# Altium PCB PCB1.PcbDoc (part 8 of 15)
Units mil, origin at the board's own origin, x right, y up, seen from the top; angles counter-clockwise.
Board outline 9210.27 x 4350.4 mil, 4 copper layers (Top Layer, Layer 1, Layer 2, Bottom Layer), stack 23.756 mil thick; 1550 components, 1731 nets, 5200 pads, 1882 vias.
Unrouted connection lines stored in the file: 605.
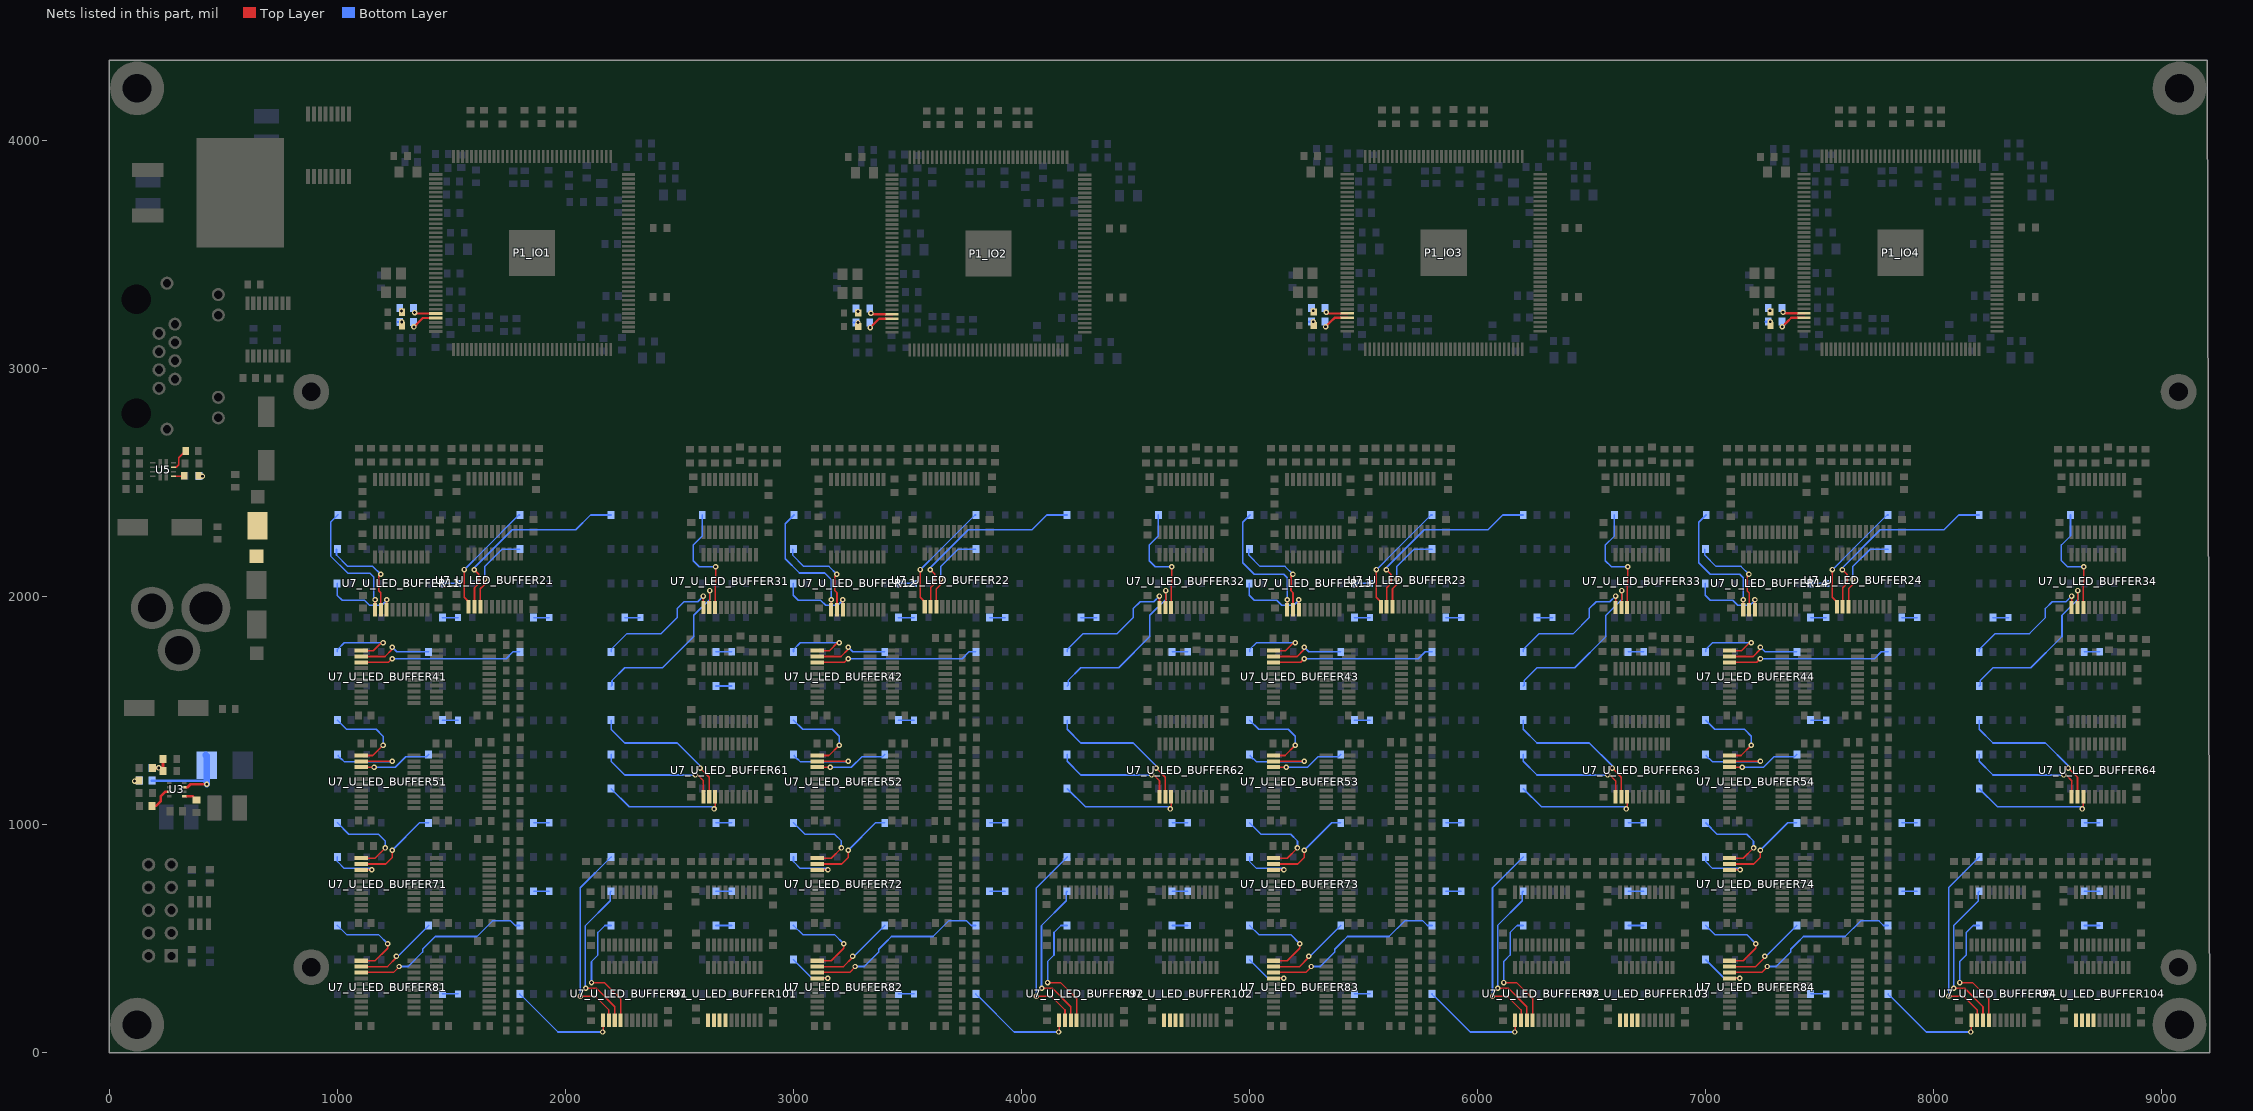
[diagram p10: the nets of this part, all layers, seen from the top]

## Via types
v1: diameter 24, hole 12, Top Layer to Bottom Layer, 1493 vias
v2: diameter 24, hole 12, Top Layer to Bottom Layer, tented both sides, 389 vias

## Nets (pads, with @x,y where several pads share a name; then routed paths per layer and width w, separated by ;. In a path a pad name is that pad's centre, name@x,y a point inside that pad or via, vN(x,y) a via of type N, cw(c..) or ccw(c..) an arc to the next point about the centre after c; other vN are vias at no path point) (continued)
L_OUT5_U_LED_BUFFER82: R26_U_LED_BUFFER82.2 U7_U_LED_BUFFER82.14 | length 229.5
  Top Layer w7: U7_U_LED_BUFFER82.14@3104.96,325.55 3149.02,325.55 v2@3150.63,327.16
  Bottom Layer w7: R26_U_LED_BUFFER82.2@3000.63,407.16 3081.83,325.97 v2(3150.19,325.97)
L_OUT5_U_LED_BUFFER83: R26_U_LED_BUFFER83.2 U7_U_LED_BUFFER83.14 | length 229.5
  Top Layer w7: U7_U_LED_BUFFER83.14@5104.96,325.55 5149.02,325.55 v2@5150.63,327.16
  Bottom Layer w7: R26_U_LED_BUFFER83.2@5000.63,407.16 5081.83,325.97 v2(5150.19,325.97)
L_OUT5_U_LED_BUFFER84: R26_U_LED_BUFFER84.2 U7_U_LED_BUFFER84.14 | length 229.5
  Top Layer w7: U7_U_LED_BUFFER84.14@7104.96,325.55 7149.02,325.55 v2@7150.63,327.16
  Bottom Layer w7: R26_U_LED_BUFFER84.2@7000.63,407.16 7081.83,325.97 v2(7150.19,325.97)
L_OUT5_U_LED_BUFFER91: R26_U_LED_BUFFER91.2 U7_U_LED_BUFFER91.14 | length 553
  Top Layer w7: v2(2114.68,306.58) 2171.21,306.58 2242.25,235.55 U7_U_LED_BUFFER91.14@2242.25,141.5
  Bottom Layer w7: v2(2114.68,306.58) 2114.68,398.87 2142.98,427.16 2142.98,526.44 2173.7,557.16 R26_U_LED_BUFFER91.2@2200.63,557.16
L_OUT5_U_LED_BUFFER92: R26_U_LED_BUFFER92.2 U7_U_LED_BUFFER92.14 | length 553
  Top Layer w7: v2(4114.68,306.58) 4171.21,306.58 4242.25,235.55 U7_U_LED_BUFFER92.14@4242.25,141.5
  Bottom Layer w7: v2(4114.68,306.58) 4114.68,398.87 4142.98,427.16 4142.98,526.44 4173.7,557.16 R26_U_LED_BUFFER92.2@4200.63,557.16
L_OUT5_U_LED_BUFFER93: R26_U_LED_BUFFER93.2 U7_U_LED_BUFFER93.14 | length 553
  Top Layer w7: v2(6114.68,306.58) 6171.21,306.58 6242.25,235.55 U7_U_LED_BUFFER93.14@6242.25,141.5
  Bottom Layer w7: v2(6114.68,306.58) 6114.68,398.87 6142.98,427.16 6142.98,526.44 6173.7,557.16 R26_U_LED_BUFFER93.2@6200.63,557.16
L_OUT5_U_LED_BUFFER94: R26_U_LED_BUFFER94.2 U7_U_LED_BUFFER94.14 | length 553
  Top Layer w7: v2(8114.68,306.58) 8171.21,306.58 8242.25,235.55 U7_U_LED_BUFFER94.14@8242.25,141.5
  Bottom Layer w7: v2(8114.68,306.58) 8114.68,398.87 8142.98,427.16 8142.98,526.44 8173.7,557.16 R26_U_LED_BUFFER94.2@8200.63,557.16
L_OUT5_U_LED_BUFFER101: U7_U_LED_BUFFER101.14
L_OUT5_U_LED_BUFFER102: U7_U_LED_BUFFER102.14
L_OUT5_U_LED_BUFFER103: U7_U_LED_BUFFER103.14
L_OUT5_U_LED_BUFFER104: U7_U_LED_BUFFER104.14
L_OUT6_U_LED_BUFFER11: R27_U_LED_BUFFER11.2 U7_U_LED_BUFFER11.13 | length 342
  Top Layer w7: U7_U_LED_BUFFER11.13@1216.68,1941.84 v2@1216.68,1985.23 ; v2(1216.66,1985.26) v2@1216.71,1985.26
  Bottom Layer w7: R27_U_LED_BUFFER11.2@999.14,2057.16 999.14,2005.72 1021.19,1983.66 1119.33,1983.66 1141.67,1961.32 1194.79,1961.32 1216.66,1983.19 v2(1216.66,1985.26)
L_OUT6_U_LED_BUFFER12: R27_U_LED_BUFFER12.2 U7_U_LED_BUFFER12.13 | length 342
  Top Layer w7: U7_U_LED_BUFFER12.13@3216.68,1941.84 v2@3216.68,1985.23 ; v2(3216.66,1985.26) v2@3216.71,1985.26
  Bottom Layer w7: R27_U_LED_BUFFER12.2@2999.14,2057.16 2999.14,2005.72 3021.19,1983.66 3119.33,1983.66 3141.67,1961.32 3194.79,1961.32 3216.66,1983.19 v2(3216.66,1985.26)
L_OUT6_U_LED_BUFFER13: R27_U_LED_BUFFER13.2 U7_U_LED_BUFFER13.13 | length 342
  Top Layer w7: U7_U_LED_BUFFER13.13@5216.68,1941.84 v2@5216.68,1985.23 ; v2(5216.66,1985.26) v2@5216.71,1985.26
  Bottom Layer w7: R27_U_LED_BUFFER13.2@4999.14,2057.16 4999.14,2005.72 5021.19,1983.66 5119.33,1983.66 5141.67,1961.32 5194.79,1961.32 5216.66,1983.19 v2(5216.66,1985.26)
L_OUT6_U_LED_BUFFER14: R27_U_LED_BUFFER14.2 U7_U_LED_BUFFER14.13 | length 342
  Top Layer w7: U7_U_LED_BUFFER14.13@7216.68,1941.84 v2@7216.68,1985.23 ; v2(7216.66,1985.26) v2@7216.71,1985.26
  Bottom Layer w7: R27_U_LED_BUFFER14.2@6999.14,2057.16 6999.14,2005.72 7021.19,1983.66 7119.33,1983.66 7141.67,1961.32 7194.79,1961.32 7216.66,1983.19 v2(7216.66,1985.26)
L_OUT6_U_LED_BUFFER21: R27_U_LED_BUFFER21.2 U7_U_LED_BUFFER21.13 | length 370.2
  Top Layer w7: U7_U_LED_BUFFER21.13@1627.25,1954.83 1627.25,2033.78 1646.12,2052.65 v2(1646.12,2074.87)
  Bottom Layer w7: v2(1646.12,2074.87) 1646.12,2131.33 1721.96,2207.16 R27_U_LED_BUFFER21.2@1800.63,2207.16
L_OUT6_U_LED_BUFFER22: R27_U_LED_BUFFER22.2 U7_U_LED_BUFFER22.13 | length 370.2
  Top Layer w7: U7_U_LED_BUFFER22.13@3627.25,1954.83 3627.25,2033.78 3646.12,2052.65 v2(3646.12,2074.87)
  Bottom Layer w7: v2(3646.12,2074.87) 3646.12,2131.33 3721.96,2207.16 R27_U_LED_BUFFER22.2@3800.63,2207.16
L_OUT6_U_LED_BUFFER23: R27_U_LED_BUFFER23.2 U7_U_LED_BUFFER23.13 | length 370.2
  Top Layer w7: U7_U_LED_BUFFER23.13@5627.25,1954.83 5627.25,2033.78 5646.12,2052.65 v2(5646.12,2074.87)
  Bottom Layer w7: v2(5646.12,2074.87) 5646.12,2131.33 5721.96,2207.16 R27_U_LED_BUFFER23.2@5800.63,2207.16
L_OUT6_U_LED_BUFFER24: R27_U_LED_BUFFER24.2 U7_U_LED_BUFFER24.13 | length 370.2
  Top Layer w7: U7_U_LED_BUFFER24.13@7627.25,1954.83 7627.25,2033.78 7646.12,2052.65 v2(7646.12,2074.87)
  Bottom Layer w7: v2(7646.12,2074.87) 7646.12,2131.33 7721.96,2207.16 R27_U_LED_BUFFER24.2@7800.63,2207.16
L_OUT6_U_LED_BUFFER31: R27_U_LED_BUFFER31.2 U7_U_LED_BUFFER31.13 | length 505.8
  Top Layer w7: U7_U_LED_BUFFER31.13@2656.66,1951.5 2656.66,2049.2 2658.93,2051.48 v2(2658.93,2129.72)
  Bottom Layer w7: R27_U_LED_BUFFER31.2@2600.63,2357.16 2600.63,2265.34 2560.66,2225.37 2560.66,2156.46 2587.4,2129.72 v2(2658.93,2129.72)
L_OUT6_U_LED_BUFFER32: R27_U_LED_BUFFER32.2 U7_U_LED_BUFFER32.13 | length 505.8
  Top Layer w7: U7_U_LED_BUFFER32.13@4656.66,1951.5 4656.66,2049.2 4658.93,2051.48 v2(4658.93,2129.72)
  Bottom Layer w7: R27_U_LED_BUFFER32.2@4600.63,2357.16 4600.63,2265.34 4560.66,2225.37 4560.66,2156.46 4587.4,2129.72 v2(4658.93,2129.72)
L_OUT6_U_LED_BUFFER33: R27_U_LED_BUFFER33.2 U7_U_LED_BUFFER33.13 | length 505.8
  Top Layer w7: U7_U_LED_BUFFER33.13@6656.66,1951.5 6656.66,2049.2 6658.93,2051.48 v2(6658.93,2129.72)
  Bottom Layer w7: R27_U_LED_BUFFER33.2@6600.63,2357.16 6600.63,2265.34 6560.66,2225.37 6560.66,2156.46 6587.4,2129.72 v2(6658.93,2129.72)
L_OUT6_U_LED_BUFFER34: R27_U_LED_BUFFER34.2 U7_U_LED_BUFFER34.13 | length 505.8
  Top Layer w7: U7_U_LED_BUFFER34.13@8656.66,1951.5 8656.66,2049.2 8658.93,2051.48 v2(8658.93,2129.72)
  Bottom Layer w7: R27_U_LED_BUFFER34.2@8600.63,2357.16 8600.63,2265.34 8560.66,2225.37 8560.66,2156.46 8587.4,2129.72 v2(8658.93,2129.72)
L_OUT6_U_LED_BUFFER41: R27_U_LED_BUFFER41.2 U7_U_LED_BUFFER41.13 | length 714.7
  Top Layer w7: U7_U_LED_BUFFER41.13@1104.96,1711.14 1224.61,1711.14 v2(1240.63,1727.16)
  Bottom Layer w7: v2(1240.63,1727.16) 1740.63,1727.16 1770.63,1757.16 R27_U_LED_BUFFER41.2@1800.63,1757.16
L_OUT6_U_LED_BUFFER42: R27_U_LED_BUFFER42.2 U7_U_LED_BUFFER42.13 | length 714.7
  Top Layer w7: U7_U_LED_BUFFER42.13@3104.96,1711.14 3224.61,1711.14 v2(3240.63,1727.16)
  Bottom Layer w7: v2(3240.63,1727.16) 3740.63,1727.16 3770.63,1757.16 R27_U_LED_BUFFER42.2@3800.63,1757.16
L_OUT6_U_LED_BUFFER43: R27_U_LED_BUFFER43.2 U7_U_LED_BUFFER43.13 | length 714.7
  Top Layer w7: U7_U_LED_BUFFER43.13@5104.96,1711.14 5224.61,1711.14 v2(5240.63,1727.16)
  Bottom Layer w7: v2(5240.63,1727.16) 5740.63,1727.16 5770.63,1757.16 R27_U_LED_BUFFER43.2@5800.63,1757.16
L_OUT6_U_LED_BUFFER44: R27_U_LED_BUFFER44.2 U7_U_LED_BUFFER44.13 | length 714.7
  Top Layer w7: U7_U_LED_BUFFER44.13@7104.96,1711.14 7224.61,1711.14 v2(7240.63,1727.16)
  Bottom Layer w7: v2(7240.63,1727.16) 7740.63,1727.16 7770.63,1757.16 R27_U_LED_BUFFER44.2@7800.63,1757.16
L_OUT6_U_LED_BUFFER51: R27_U_LED_BUFFER51.2 U7_U_LED_BUFFER51.13 | length 319.2
  Top Layer w7: U7_U_LED_BUFFER51.13@1104.96,1251.14 1160.93,1251.14 v2(1161.31,1250.76)
  Bottom Layer w7: v2(1161.31,1250.76) 1254.23,1250.76 1300.63,1297.16 1390.63,1297.16 R27_U_LED_BUFFER51.2@1400.63,1307.16
L_OUT6_U_LED_BUFFER52: R27_U_LED_BUFFER52.2 U7_U_LED_BUFFER52.13 | length 319.2
  Top Layer w7: U7_U_LED_BUFFER52.13@3104.96,1251.14 3160.93,1251.14 v2(3161.31,1250.76)
  Bottom Layer w7: v2(3161.31,1250.76) 3254.23,1250.76 3300.63,1297.16 3390.63,1297.16 R27_U_LED_BUFFER52.2@3400.63,1307.16
L_OUT6_U_LED_BUFFER53: R27_U_LED_BUFFER53.2 U7_U_LED_BUFFER53.13 | length 319.2
  Top Layer w7: U7_U_LED_BUFFER53.13@5104.96,1251.14 5160.93,1251.14 v2(5161.31,1250.76)
  Bottom Layer w7: v2(5161.31,1250.76) 5254.23,1250.76 5300.63,1297.16 5390.63,1297.16 R27_U_LED_BUFFER53.2@5400.63,1307.16
L_OUT6_U_LED_BUFFER54: R27_U_LED_BUFFER54.2 U7_U_LED_BUFFER54.13 | length 319.2
  Top Layer w7: U7_U_LED_BUFFER54.13@7104.96,1251.14 7160.93,1251.14 v2(7161.31,1250.76)
  Bottom Layer w7: v2(7161.31,1250.76) 7254.23,1250.76 7300.63,1297.16 7390.63,1297.16 R27_U_LED_BUFFER54.2@7400.63,1307.16
L_OUT6_U_LED_BUFFER61: R27_U_LED_BUFFER61.2 U7_U_LED_BUFFER61.13 | length 543.9
  Top Layer w7: v2(2652.29,1067.99) 2656.66,1072.36 U7_U_LED_BUFFER61.13@2656.66,1121.5
  Bottom Layer w7: R27_U_LED_BUFFER61.2@2200.63,1157.16 2280.63,1077.16 2643.12,1077.16 v2(2652.29,1067.99)
L_OUT6_U_LED_BUFFER62: R27_U_LED_BUFFER62.2 U7_U_LED_BUFFER62.13 | length 543.9
  Top Layer w7: v2(4652.29,1067.99) 4656.66,1072.36 U7_U_LED_BUFFER62.13@4656.66,1121.5
  Bottom Layer w7: R27_U_LED_BUFFER62.2@4200.63,1157.16 4280.63,1077.16 4643.12,1077.16 v2(4652.29,1067.99)
L_OUT6_U_LED_BUFFER63: R27_U_LED_BUFFER63.2 U7_U_LED_BUFFER63.13 | length 543.9
  Top Layer w7: v2(6652.29,1067.99) 6656.66,1072.36 U7_U_LED_BUFFER63.13@6656.66,1121.5
  Bottom Layer w7: R27_U_LED_BUFFER63.2@6200.63,1157.16 6280.63,1077.16 6643.12,1077.16 v2(6652.29,1067.99)
L_OUT6_U_LED_BUFFER64: R27_U_LED_BUFFER64.2 U7_U_LED_BUFFER64.13 | length 543.9
  Top Layer w7: v2(8652.29,1067.99) 8656.66,1072.36 U7_U_LED_BUFFER64.13@8656.66,1121.5
  Bottom Layer w7: R27_U_LED_BUFFER64.2@8200.63,1157.16 8280.63,1077.16 8643.12,1077.16 v2(8652.29,1067.99)
L_OUT6_U_LED_BUFFER71: R27_U_LED_BUFFER71.2 U7_U_LED_BUFFER71.13 | length 237.3
  Top Layer w7: U7_U_LED_BUFFER71.13@1104.96,801.14 1147.66,801.14 1149.65,803.13 1150.63,802.15 v2@1150.63,797.16
  Bottom Layer w7: R27_U_LED_BUFFER71.2@1000.63,857.16 1000.63,837.16 1030.63,807.16 1146.21,807.16 v2(1151.42,801.95)
L_OUT6_U_LED_BUFFER72: R27_U_LED_BUFFER72.2 U7_U_LED_BUFFER72.13 | length 237.3
  Top Layer w7: U7_U_LED_BUFFER72.13@3104.96,801.14 3147.66,801.14 3149.65,803.13 3150.63,802.15 v2@3150.63,797.16
  Bottom Layer w7: R27_U_LED_BUFFER72.2@3000.63,857.16 3000.63,837.16 3030.63,807.16 3146.21,807.16 v2(3151.42,801.95)
L_OUT6_U_LED_BUFFER73: R27_U_LED_BUFFER73.2 U7_U_LED_BUFFER73.13 | length 237.3
  Top Layer w7: U7_U_LED_BUFFER73.13@5104.96,801.14 5147.66,801.14 5149.65,803.13 5150.63,802.15 v2@5150.63,797.16
  Bottom Layer w7: R27_U_LED_BUFFER73.2@5000.63,857.16 5000.63,837.16 5030.63,807.16 5146.21,807.16 v2(5151.42,801.95)
L_OUT6_U_LED_BUFFER74: R27_U_LED_BUFFER74.2 U7_U_LED_BUFFER74.13 | length 237.3
  Top Layer w7: U7_U_LED_BUFFER74.13@7104.96,801.14 7147.66,801.14 7149.65,803.13 7150.63,802.15 v2@7150.63,797.16
  Bottom Layer w7: R27_U_LED_BUFFER74.2@7000.63,857.16 7000.63,837.16 7030.63,807.16 7146.21,807.16 v2(7151.42,801.95)
L_OUT6_U_LED_BUFFER81: R27_U_LED_BUFFER81.2 U7_U_LED_BUFFER81.13 | length 806.1
  Top Layer w7: U7_U_LED_BUFFER81.13@1104.96,351.14 1246.91,351.14 1270.63,374.86 v2(1270.63,377.16)
  Bottom Layer w7: v2(1270.63,377.16) 1310.63,377.16 1373.83,440.36 1373.83,452.64 1402.43,481.24 1429.87,508.69 1612.16,508.69 1680.63,577.16 1760.63,577.16 1780.63,557.16 R27_U_LED_BUFFER81.2@1800.63,557.16
L_OUT6_U_LED_BUFFER82: R27_U_LED_BUFFER82.2 U7_U_LED_BUFFER82.13 | length 806.1
  Top Layer w7: U7_U_LED_BUFFER82.13@3104.96,351.14 3246.91,351.14 3270.63,374.86 v2(3270.63,377.16)
  Bottom Layer w7: v2(3270.63,377.16) 3310.63,377.16 3373.83,440.36 3373.83,452.64 3402.43,481.24 3429.87,508.69 3612.16,508.69 3680.63,577.16 3760.63,577.16 3780.63,557.16 R27_U_LED_BUFFER82.2@3800.63,557.16
L_OUT6_U_LED_BUFFER83: R27_U_LED_BUFFER83.2 U7_U_LED_BUFFER83.13 | length 806.1
  Top Layer w7: U7_U_LED_BUFFER83.13@5104.96,351.14 5246.91,351.14 5270.63,374.86 v2(5270.63,377.16)
  Bottom Layer w7: v2(5270.63,377.16) 5310.63,377.16 5373.83,440.36 5373.83,452.64 5402.43,481.24 5429.87,508.69 5612.16,508.69 5680.63,577.16 5760.63,577.16 5780.63,557.16 R27_U_LED_BUFFER83.2@5800.63,557.16
L_OUT6_U_LED_BUFFER84: R27_U_LED_BUFFER84.2 U7_U_LED_BUFFER84.13 | length 806.1
  Top Layer w7: U7_U_LED_BUFFER84.13@7104.96,351.14 7246.91,351.14 7270.63,374.86 v2(7270.63,377.16)
  Bottom Layer w7: v2(7270.63,377.16) 7310.63,377.16 7373.83,440.36 7373.83,452.64 7402.43,481.24 7429.87,508.69 7612.16,508.69 7680.63,577.16 7760.63,577.16 7780.63,557.16 R27_U_LED_BUFFER84.2@7800.63,557.16
L_OUT6_U_LED_BUFFER91: R27_U_LED_BUFFER91.2 U7_U_LED_BUFFER91.13 | length 693.2
  Top Layer w7: v2(2089.03,281.55) 2136.24,281.55 2216.66,201.14 U7_U_LED_BUFFER91.13@2216.66,141.5
  Bottom Layer w7: v2(2089.03,281.55) 2088.13,282.45 2088.13,424.97 2088.13,556.48 2196.73,665.09 2196.73,703.27 R27_U_LED_BUFFER91.2@2200.63,707.16
L_OUT6_U_LED_BUFFER92: R27_U_LED_BUFFER92.2 U7_U_LED_BUFFER92.13 | length 693.2
  Top Layer w7: v2(4089.03,281.55) 4136.24,281.55 4216.66,201.14 U7_U_LED_BUFFER92.13@4216.66,141.5
  Bottom Layer w7: v2(4089.03,281.55) 4088.13,282.45 4088.13,424.97 4088.13,556.48 4196.73,665.09 4196.73,703.27 R27_U_LED_BUFFER92.2@4200.63,707.16
L_OUT6_U_LED_BUFFER93: R27_U_LED_BUFFER93.2 U7_U_LED_BUFFER93.13 | length 693.2
  Top Layer w7: v2(6089.03,281.55) 6136.24,281.55 6216.66,201.14 U7_U_LED_BUFFER93.13@6216.66,141.5
  Bottom Layer w7: v2(6089.03,281.55) 6088.13,282.45 6088.13,424.97 6088.13,556.48 6196.73,665.09 6196.73,703.27 R27_U_LED_BUFFER93.2@6200.63,707.16
L_OUT6_U_LED_BUFFER94: R27_U_LED_BUFFER94.2 U7_U_LED_BUFFER94.13 | length 693.2
  Top Layer w7: v2(8089.03,281.55) 8136.24,281.55 8216.66,201.14 U7_U_LED_BUFFER94.13@8216.66,141.5
  Bottom Layer w7: v2(8089.03,281.55) 8088.13,282.45 8088.13,424.97 8088.13,556.48 8196.73,665.09 8196.73,703.27 R27_U_LED_BUFFER94.2@8200.63,707.16
L_OUT6_U_LED_BUFFER101: U7_U_LED_BUFFER101.13
L_OUT6_U_LED_BUFFER102: U7_U_LED_BUFFER102.13
L_OUT6_U_LED_BUFFER103: U7_U_LED_BUFFER103.13
L_OUT6_U_LED_BUFFER104: U7_U_LED_BUFFER104.13
L_OUT7_U_LED_BUFFER11: R45_U_LED_BUFFER11.2 U7_U_LED_BUFFER11.12 | length 417.3
  Top Layer w7: v2(1190.63,2097.16) 1182.26,2088.79 1182.26,2025.11 1191.12,2016.25 U7_U_LED_BUFFER11.12@1191.12,1941.81
  Bottom Layer w7: R45_U_LED_BUFFER11.2@996.43,2207.13 996.43,2181.37 1046.04,2131.76 1156.04,2131.76 v2(1190.63,2097.16)
L_OUT7_U_LED_BUFFER12: R45_U_LED_BUFFER12.2 U7_U_LED_BUFFER12.12 | length 417.3
  Top Layer w7: v2(3190.63,2097.16) 3182.26,2088.79 3182.26,2025.11 3191.12,2016.25 U7_U_LED_BUFFER12.12@3191.12,1941.81
  Bottom Layer w7: R45_U_LED_BUFFER12.2@2996.43,2207.13 2996.43,2181.37 3046.04,2131.76 3156.04,2131.76 v2(3190.63,2097.16)
L_OUT7_U_LED_BUFFER13: R45_U_LED_BUFFER13.2 U7_U_LED_BUFFER13.12 | length 417.3
  Top Layer w7: v2(5190.63,2097.16) 5182.26,2088.79 5182.26,2025.11 5191.12,2016.25 U7_U_LED_BUFFER13.12@5191.12,1941.81
  Bottom Layer w7: R45_U_LED_BUFFER13.2@4996.43,2207.13 4996.43,2181.37 5046.04,2131.76 5156.04,2131.76 v2(5190.63,2097.16)
L_OUT7_U_LED_BUFFER14: R45_U_LED_BUFFER14.2 U7_U_LED_BUFFER14.12 | length 417.3
  Top Layer w7: v2(7190.63,2097.16) 7182.26,2088.79 7182.26,2025.11 7191.12,2016.25 U7_U_LED_BUFFER14.12@7191.12,1941.81
  Bottom Layer w7: R45_U_LED_BUFFER14.2@6996.43,2207.13 6996.43,2181.37 7046.04,2131.76 7156.04,2131.76 v2(7190.63,2097.16)
L_OUT7_U_LED_BUFFER21: R45_U_LED_BUFFER21.2 U7_U_LED_BUFFER21.12 | length 887.3
  Top Layer w7: v2(1600.63,2117.16) 1620.63,2097.16 1620.63,2057.16 1601.66,2038.19 U7_U_LED_BUFFER21.12@1601.66,1954.83
  Bottom Layer w7: v2(1600.63,2117.16) 1595.93,2121.87 1766.7,2292.65 2046.12,2292.65 2110.63,2357.16 R45_U_LED_BUFFER21.2@2200.63,2357.16
L_OUT7_U_LED_BUFFER22: R45_U_LED_BUFFER22.2 U7_U_LED_BUFFER22.12 | length 887.3
  Top Layer w7: v2(3600.63,2117.16) 3620.63,2097.16 3620.63,2057.16 3601.66,2038.19 U7_U_LED_BUFFER22.12@3601.66,1954.83
  Bottom Layer w7: v2(3600.63,2117.16) 3595.93,2121.87 3766.7,2292.65 4046.12,2292.65 4110.63,2357.16 R45_U_LED_BUFFER22.2@4200.63,2357.16
L_OUT7_U_LED_BUFFER23: R45_U_LED_BUFFER23.2 U7_U_LED_BUFFER23.12 | length 887.3
  Top Layer w7: v2(5600.63,2117.16) 5620.63,2097.16 5620.63,2057.16 5601.66,2038.19 U7_U_LED_BUFFER23.12@5601.66,1954.83
  Bottom Layer w7: v2(5600.63,2117.16) 5595.93,2121.87 5766.7,2292.65 6046.12,2292.65 6110.63,2357.16 R45_U_LED_BUFFER23.2@6200.63,2357.16
L_OUT7_U_LED_BUFFER24: R45_U_LED_BUFFER24.2 U7_U_LED_BUFFER24.12 | length 887.3
  Top Layer w7: v2(7600.63,2117.16) 7620.63,2097.16 7620.63,2057.16 7601.66,2038.19 U7_U_LED_BUFFER24.12@7601.66,1954.83
  Bottom Layer w7: v2(7600.63,2117.16) 7595.93,2121.87 7766.7,2292.65 8046.12,2292.65 8110.63,2357.16 R45_U_LED_BUFFER24.2@8200.63,2357.16
L_OUT7_U_LED_BUFFER31: R45_U_LED_BUFFER31.2 U7_U_LED_BUFFER31.12 | length 772.2
  Top Layer w7: U7_U_LED_BUFFER31.12@2631.06,1951.5 2630.63,1951.93 2635.42,1956.71 2632.73,1959.4 v2(2632.73,2025.7)
  Bottom Layer w7: R45_U_LED_BUFFER31.2@2200.63,1607.16 2204.53,1611.06 2204.53,1631.06 2260.63,1687.16 2426.53,1687.16 2563.28,1823.92 2563.28,1917.16 2632.73,1986.61 v2(2632.73,2025.7)
L_OUT7_U_LED_BUFFER32: R45_U_LED_BUFFER32.2 U7_U_LED_BUFFER32.12 | length 772.2
  Top Layer w7: U7_U_LED_BUFFER32.12@4631.06,1951.5 4630.63,1951.93 4635.42,1956.71 4632.73,1959.4 v2(4632.73,2025.7)
  Bottom Layer w7: R45_U_LED_BUFFER32.2@4200.63,1607.16 4204.53,1611.06 4204.53,1631.06 4260.63,1687.16 4426.53,1687.16 4563.28,1823.92 4563.28,1917.16 4632.73,1986.61 v2(4632.73,2025.7)
L_OUT7_U_LED_BUFFER33: R45_U_LED_BUFFER33.2 U7_U_LED_BUFFER33.12 | length 772.2
  Top Layer w7: U7_U_LED_BUFFER33.12@6631.06,1951.5 6630.63,1951.93 6635.42,1956.71 6632.73,1959.4 v2(6632.73,2025.7)
  Bottom Layer w7: R45_U_LED_BUFFER33.2@6200.63,1607.16 6204.53,1611.06 6204.53,1631.06 6260.63,1687.16 6426.53,1687.16 6563.28,1823.92 6563.28,1917.16 6632.73,1986.61 v2(6632.73,2025.7)
L_OUT7_U_LED_BUFFER34: R45_U_LED_BUFFER34.2 U7_U_LED_BUFFER34.12 | length 772.2
  Top Layer w7: U7_U_LED_BUFFER34.12@8631.06,1951.5 8630.63,1951.93 8635.42,1956.71 8632.73,1959.4 v2(8632.73,2025.7)
  Bottom Layer w7: R45_U_LED_BUFFER34.2@8200.63,1607.16 8204.53,1611.06 8204.53,1631.06 8260.63,1687.16 8426.53,1687.16 8563.28,1823.92 8563.28,1917.16 8632.73,1986.61 v2(8632.73,2025.7)
L_OUT7_U_LED_BUFFER41: R45_U_LED_BUFFER41.2 U7_U_LED_BUFFER41.12 | length 326
  Top Layer w7: U7_U_LED_BUFFER41.12@1104.96,1736.73 1209.25,1736.73 1240.63,1768.11 v2(1240.63,1777.16)
  Bottom Layer w7: v2(1240.63,1777.16) 1260.63,1757.16 R45_U_LED_BUFFER41.2@1400.63,1757.16
L_OUT7_U_LED_BUFFER42: R45_U_LED_BUFFER42.2 U7_U_LED_BUFFER42.12 | length 326
  Top Layer w7: U7_U_LED_BUFFER42.12@3104.96,1736.73 3209.25,1736.73 3240.63,1768.11 v2(3240.63,1777.16)
  Bottom Layer w7: v2(3240.63,1777.16) 3260.63,1757.16 R45_U_LED_BUFFER42.2@3400.63,1757.16
L_OUT7_U_LED_BUFFER43: R45_U_LED_BUFFER43.2 U7_U_LED_BUFFER43.12 | length 326
  Top Layer w7: U7_U_LED_BUFFER43.12@5104.96,1736.73 5209.25,1736.73 5240.63,1768.11 v2(5240.63,1777.16)
  Bottom Layer w7: v2(5240.63,1777.16) 5260.63,1757.16 R45_U_LED_BUFFER43.2@5400.63,1757.16
L_OUT7_U_LED_BUFFER44: R45_U_LED_BUFFER44.2 U7_U_LED_BUFFER44.12 | length 326
  Top Layer w7: U7_U_LED_BUFFER44.12@7104.96,1736.73 7209.25,1736.73 7240.63,1768.11 v2(7240.63,1777.16)
  Bottom Layer w7: v2(7240.63,1777.16) 7260.63,1757.16 R45_U_LED_BUFFER44.2@7400.63,1757.16
L_OUT7_U_LED_BUFFER51: R45_U_LED_BUFFER51.2 U7_U_LED_BUFFER51.12 | length 387.2
  Top Layer w7: U7_U_LED_BUFFER51.12@1104.96,1276.73 1240.2,1276.73 v2(1240.63,1277.16)
  Bottom Layer w7: R45_U_LED_BUFFER51.2@1003.54,1302.32 1003.54,1299.82 1015.04,1288.32 1017.54,1288.32 1031.54,1274.32 1211.41,1274.32 1237.79,1274.32 v2(1240.63,1277.16)
L_OUT7_U_LED_BUFFER52: R45_U_LED_BUFFER52.2 U7_U_LED_BUFFER52.12 | length 387.2
  Top Layer w7: U7_U_LED_BUFFER52.12@3104.96,1276.73 3240.2,1276.73 v2(3240.63,1277.16)
  Bottom Layer w7: R45_U_LED_BUFFER52.2@3003.54,1302.32 3003.54,1299.82 3015.04,1288.32 3017.54,1288.32 3031.54,1274.32 3211.41,1274.32 3237.79,1274.32 v2(3240.63,1277.16)
L_OUT7_U_LED_BUFFER53: R45_U_LED_BUFFER53.2 U7_U_LED_BUFFER53.12 | length 387.2
  Top Layer w7: U7_U_LED_BUFFER53.12@5104.96,1276.73 5240.2,1276.73 v2(5240.63,1277.16)
  Bottom Layer w7: R45_U_LED_BUFFER53.2@5003.54,1302.32 5003.54,1299.82 5015.04,1288.32 5017.54,1288.32 5031.54,1274.32 5211.41,1274.32 5237.79,1274.32 v2(5240.63,1277.16)
L_OUT7_U_LED_BUFFER54: R45_U_LED_BUFFER54.2 U7_U_LED_BUFFER54.12 | length 387.2
  Top Layer w7: U7_U_LED_BUFFER54.12@7104.96,1276.73 7240.2,1276.73 v2(7240.63,1277.16)
  Bottom Layer w7: R45_U_LED_BUFFER54.2@7003.54,1302.32 7003.54,1299.82 7015.04,1288.32 7017.54,1288.32 7031.54,1274.32 7211.41,1274.32 7237.79,1274.32 v2(7240.63,1277.16)
L_OUT7_U_LED_BUFFER61: R45_U_LED_BUFFER61.2 U7_U_LED_BUFFER61.12 | length 648.6
  Top Layer w7: v2(2590.63,1247.16) 2631.06,1206.73 U7_U_LED_BUFFER61.12@2631.06,1121.5
  Bottom Layer w7: R45_U_LED_BUFFER61.2@2200.63,1457.16 2200.63,1417.16 2260.63,1357.16 2490.47,1357.16 2590.63,1257 v2(2590.63,1247.16)
L_OUT7_U_LED_BUFFER62: R45_U_LED_BUFFER62.2 U7_U_LED_BUFFER62.12 | length 648.6
  Top Layer w7: v2(4590.63,1247.16) 4631.06,1206.73 U7_U_LED_BUFFER62.12@4631.06,1121.5